# Altium PCB PCB.PcbDoc
Units mm, origin at the board's own origin, x right, y up, seen from the top; angles counter-clockwise.
Board outline 55 x 90 mm, 2 copper layers (Top Layer, Bottom Layer), stack 1.671 mm thick; 4 components, 9 nets, 48 pads, 2 vias.
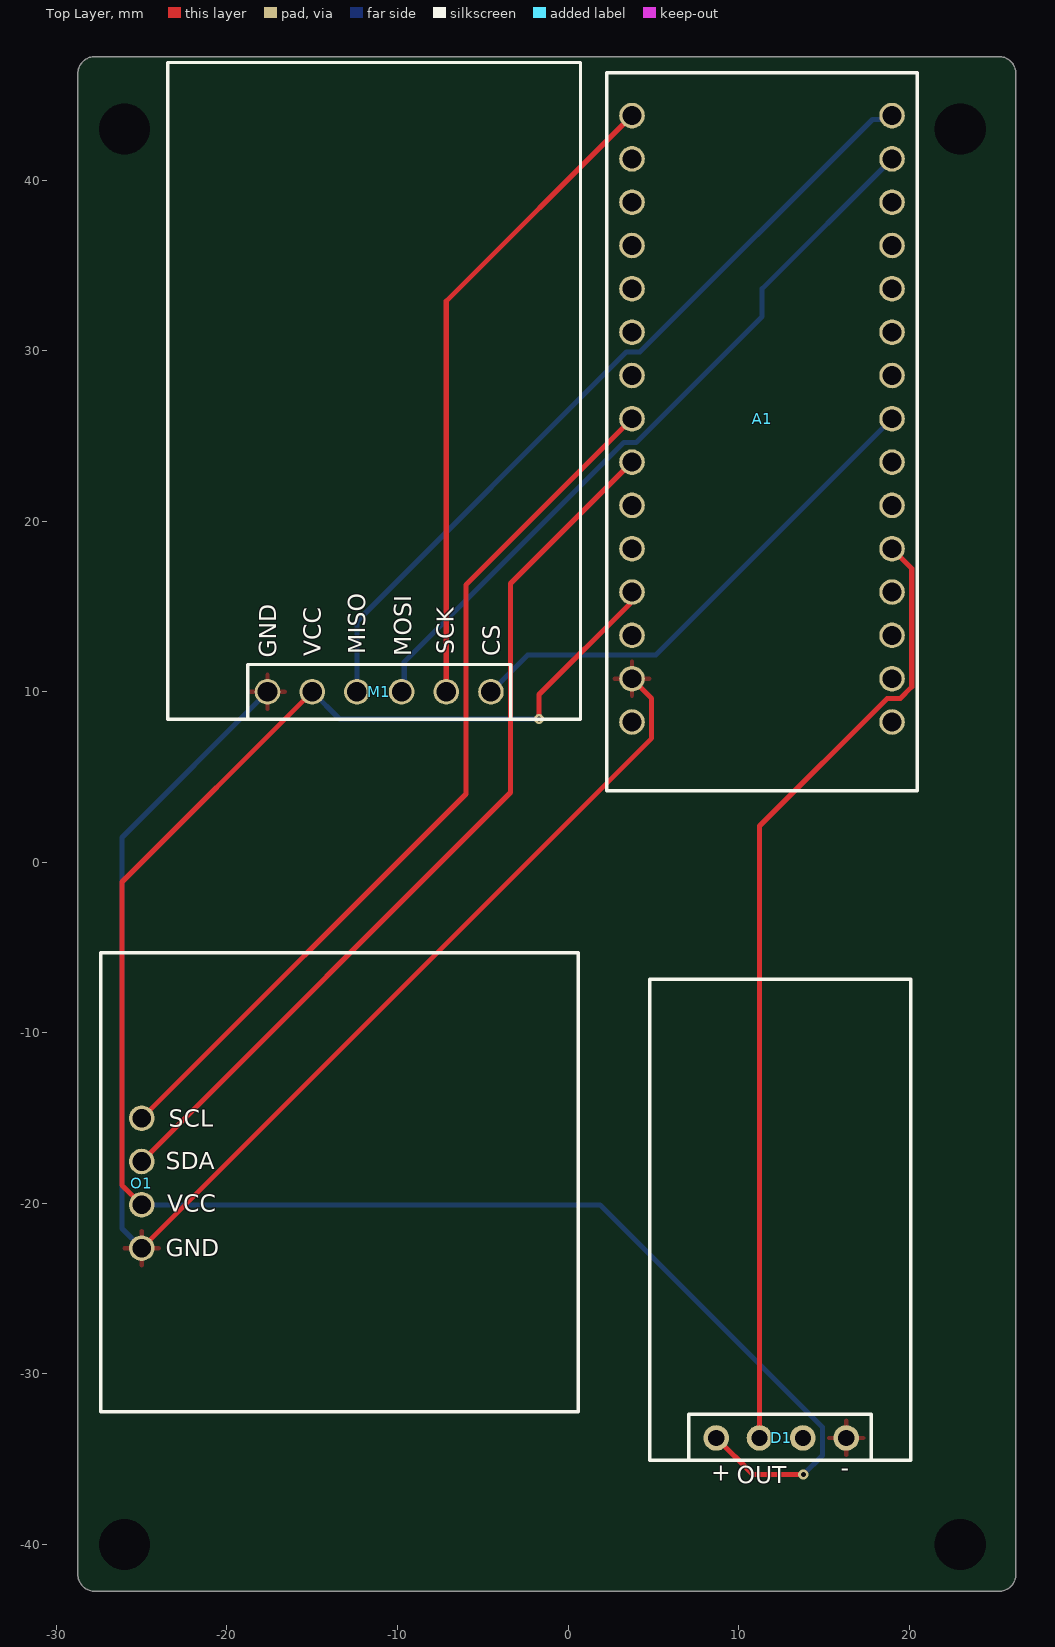
[diagram p0: Top Layer view]
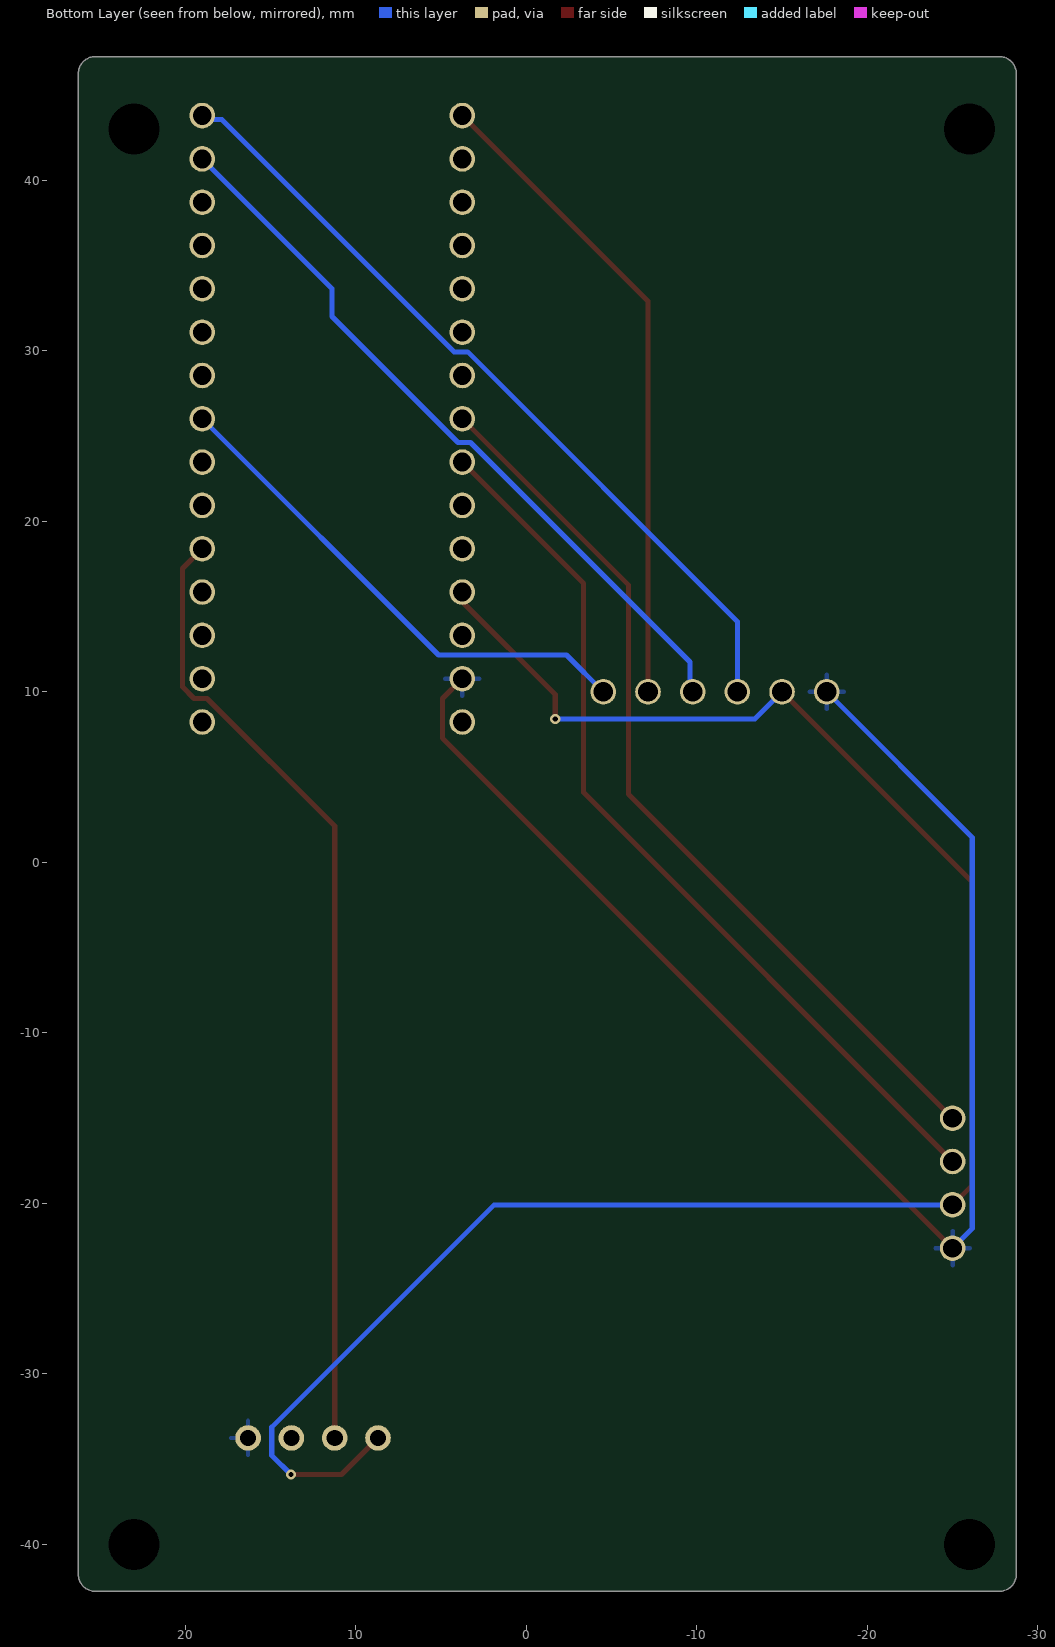
[diagram p1: Bottom Layer view, seen from below]
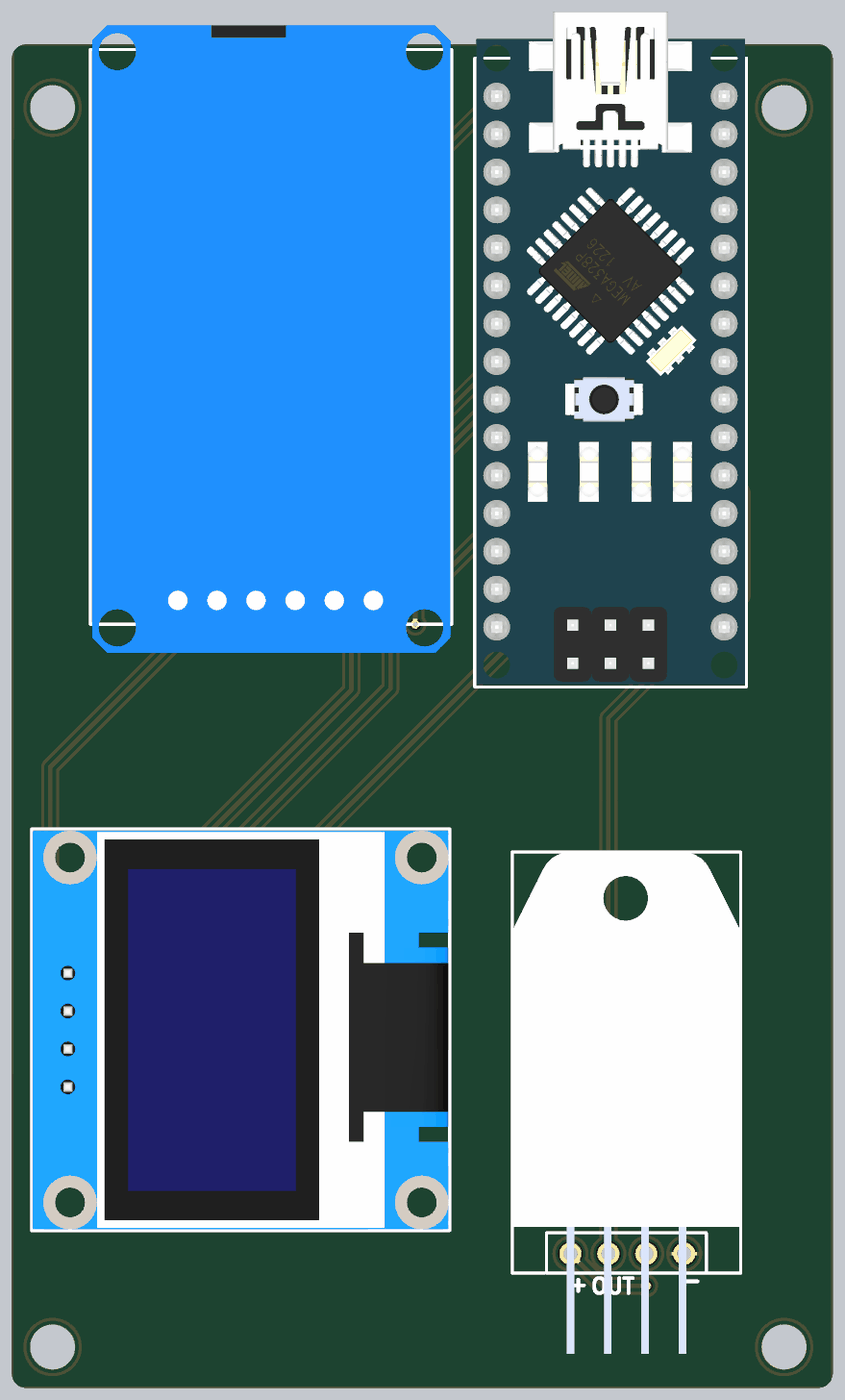
[diagram p2: 3D render of the assembled board from above, using the file's embedded part models]

## Layer stack, top to bottom
Top Solder: solder mask 0.0102, Solder Resist, Dk 3.5
Top Layer: signal copper 0.0356
Dielectric 1: dielectric 1.6, FR-4, Dk 4.8
Bottom Layer: signal copper 0.0356
Bottom Solder: solder mask 0.0102, Solder Resist, Dk 3.5

## Board outline
-28.737,-41.749 -28.737,46.251 cw(c-27.737,46.251) -27.737,47.251 25.263,47.251 cw(c25.263,46.251) 26.263,46.251 26.263,-41.749 cw(c25.263,-41.749) 25.263,-42.749 -27.737,-42.749 cw(c-27.737,-41.749)

## Design rules (kind name [scope] priority, off if disabled: settings)
Clearance [All] p1: gap=0.254 ignorepadtopadclearanceinfootprint=FALSE except(0: Arc-Hole Track-Hole SMDPad-Hole THPad-Hole Via-Hole Fill-Hole Poly-Hole Region-Hole Text-Hole)
HoleSize [All] p1: absolutevalues=TRUE maxlimit=3 minlimit=0 maxpercent=80.000 minpercent=20.000
HoleToHoleClearance [All] p1: gap=0.3 allowstackedmicrovias=TRUE
MinimumSolderMaskSliver [All] p1: minsoldermaskwidth=0.3
PolygonConnect [All] p1: connectstyle=Relief reliefconductorwidth=0.254 reliefentries=4 polygonreliefangle="90 Angle" airgapwidth=0.254
RoutingVias [All] p1: holewidth=0.3 width=0.6 viastyle="Through Hole" minholewidth=0.3 minwidth=0.6 maxholewidth=0.3 maxwidth=0.6
SilkToSilkClearance [All] p1: silktosilkclearance=0.1
SilkToSolderMaskClearance [IsPad] p1: minsilkscreentomaskgap=0.1 clearancetoexposedcopper=TRUE
SolderMaskExpansion [All] p1: expansion=0.102 istentingtop=FALSE
Width [All] p1: maxlimit=0.5 minlimit=0.1 preferedwidth=0.3
25 further rules are at their usual default settings.

## Components (designator, comment, footprint, x,y, rotation, side; value= is the part's Value field where it differs from the comment)
A1 "Arduino Nano" "ARDUINO NANO" 11.375,26.01 r0 top
D1 "DHT 22" "DHT 22" 12.5,-33.75 r0 top
M1 "Micro SD Card Adapter" "SD CARD MODULE" -11.07,10 r0 top
O1 "OLED DISPLAY" "OLED DISPLAY" -25,-18.81 r90 top

## Footprints (in the part's own frame and the unit in brackets; to place one, negate y for a bottom-side part, rotate by r counter-clockwise, add the part's x,y. Pads: shape width x height; smd on the part's side, far side on the other; paste and mask are expansions set on the pad)
"ARDUINO NANO" [mm]
  round 1.5 hole 1.1: 1(-7.625,17.78) 2(-7.625,15.24) 3(-7.625,12.7) 4(-7.625,10.16) 5(-7.625,7.62) 6(-7.625,5.08) 7(-7.625,2.54) 8(-7.625,0) 9(-7.625,-2.54) 10(-7.625,-5.08) 11(-7.625,-7.62) 12(-7.625,-10.16) 13(-7.625,-12.7) 14(-7.625,-15.24) 15(-7.625,-17.78) 16(7.625,-17.78) 17(7.625,-15.24) 18(7.625,-12.7) 19(7.625,-10.16) 20(7.625,-7.62) 21(7.625,-5.08) 22(7.625,-2.54) 23(7.625,0) 24(7.625,2.54) 25(7.625,5.08) 26(7.625,7.62) 27(7.625,10.16) 28(7.625,12.7) 29(7.625,15.24) 30(7.625,17.78)
  silkscreen extent -9.1,-21.8 9.1,20.3, body extent -9,-21.62 8.99,23.38, height 12.61
"DHT 22" [mm]
  round 1.5 hole 0.95: 1(-3.81,0) 2(-1.27,0) 3(1.27,0) 4(3.81,0)
  silkscreen extent -7.71,-1.3 7.59,26.9, body extent -7.61,-6.7 7.49,26.9, height 8.02
"OLED DISPLAY" [mm]
  round 1.5 hole 1.1: 1(-3.81,0) 2(-1.27,0) 3(1.27,0) 4(3.81,0)
  silkscreen extent -13.4,-25.6 13.5,2.4, body extent -13.31,-25.53 13.39,2.33, height 5.02
"SD CARD MODULE" [mm]
  round 1.5 hole 1.15: 1(6.55,0) 2(3.93,0) 3(1.31,0) 4(-1.31,0) 5(-3.93,0) 6(-6.55,0)
  silkscreen extent -12.4,-1.6 11.8,36.9, body extent -12.28,-8.4 11.72,38.5, height 4.71

## Part data
A1: library part A000005, "ARDUINO - A000005 - Development Board, Arduino Nano, ATmega328 MCU, 14 3.3V I/O, 6 PWM Outputs, USB Mini B", Manufacturer=Arduino, Operating Supply Voltage=20V, Package Quantity=1, Supplier Part Number 1=1050-1001-ND, Category="Embedded Processors and Controllers", ComponentLink1Description=https://datasheet.ciiva.com/2398/arduinonanomanual23-2398236.pdf?src-supplier=Digi-Key, ComponentLink1URL=https://datasheet.ciiva.com/2398/arduinonanomanual23-2398236.pdf?src-supplier=Digi-Key, ComponentLink2Description=https://datasheet.ciiva.com/19455/2121148-19455443.pdf?src-supplier=Jameco, ComponentLink2URL=https://datasheet.ciiva.com/19455/2121148-19455443.pdf?src-supplier=Jameco, ComponentLink3Description=https://datasheet.ciiva.com/1336/1682238-1336473.pdf?src-supplier=Element14, ComponentLink3URL=https://datasheet.ciiva.com/1336/1682238-1336473.pdf?src-supplier=Element14, ComponentLink4Description=https://datasheet.ciiva.com/1414/810078-1414124.pdf?src-supplier=Newark, ComponentLink4URL=https://datasheet.ciiva.com/1414/810078-1414124.pdf?src-supplier=Newark, ComponentLink5Description=https://datasheet.ciiva.com/4926/arduino-arduinoboardnano-188748-4926316.pdf?src-supplier=Mouser, ComponentLink5URL=https://datasheet.ciiva.com/4926/arduino-arduinoboardnano-188748-4926316.pdf?src-supplier=Mouser, ComponentLink6Description=https://datasheet.ciiva.com/20168/73-4448-20168542.pdf?src-supplier=Rapid+Electronics, ComponentLink6URL=https://datasheet.ciiva.com/20168/73-4448-20168542.pdf?src-supplier=Rapid+Electronics, Core Architecture=AVR, Data Bus Width=8b, Evaluation Kit=Yes, Height=0.25inch, Interface=I2C,SPI,USB, Length=7inch, Manufacturer Part Number=A000005, Number of Bits=8, Packaging=Bulk, Pricing 1="1=22.00000, 10=20.90000, 100=19.80010, 500=18.70012 (USD)", REACH SVHC="No SVHC", RoHS=Yes, Stock 1=9527, Supplier 1=Digi-Key, Weight=0.02lb, Width=5inch
D1: library part SEN-10167, "Sensor Humid/temp 5V Dtl 2% Mod", Manufacturer=SparkFun, Supplier Part Number 1=474-SEN-10167, Category=Sensors, ComponentLink1Description=http://cdn.sparkfun.com/datasheets/Sensors/Weather/RHT03.pdf?src-supplier=Digi-Key, ComponentLink1URL=http://cdn.sparkfun.com/datasheets/Sensors/Weather/RHT03.pdf?src-supplier=Digi-Key, Manufacturer Part Number=SEN-10167, Pricing 1="1=9.95000, 10=9.95000, 50=9.95000, 100=9.95000, 1000=9.95000, 10000=9.95000 (USD)", RoHS=No, Stock 1=34, Supplier 1=Mouser
O1: library part SSD1306, "SSD1306 Oled Display 128x64"

## Free pads (board coordinates)
  round 1.524 hole 3: 100(-26,-40) 100(-26,43) 100(23,-40) 100(23,43)

## Via types
v1: diameter 0.6, hole 0.3, Top Layer to Bottom Layer, 2 vias

## Nets (pads, with @x,y where several pads share a name; then routed paths per layer and width w, separated by ;. In a path a pad name is that pad's centre, name@x,y a point inside that pad or via, vN(x,y) a via of type N, cw(c..) or ccw(c..) an arc to the next point about the centre after c; other vN are vias at no path point)
A4: A1.8 O1.4 | length 52.9
  Top Layer w0.3: O1.4 -5.986,4.014 -5.986,16.274 A1.8
A5: A1.9 O1.3 | length 52.9
  Top Layer w0.3: O1.3 -3.366,4.094 -3.366,16.354 A1.9
D13: A1.1 M1.2 | length 38.3
  Top Layer w0.3: M1.2 -7.14,32.9 A1.1
GND: A1.14 D1.4 M1.6 O1.1 | length 82.9
  Top Layer w0.3: O1.1 4.904,7.284 4.904,9.616 A1.14
  Bottom Layer w0.3: O1.1 -26.154,-21.466 -26.154,1.466 M1.6
MISO: A1.30 M1.4 | length 47.8
  Bottom Layer w0.3: M1.4 -12.38,14.12 3.436,29.936 4.228,29.936 17.852,43.56 18.77,43.56 A1.30
MOSI: A1.29 M1.3 | length 43.6
  Bottom Layer w0.3: M1.3 -9.6,10.16 -9.6,11.752 3.272,24.624 3.996,24.624 11.383,32.011 11.383,33.633 A1.29
NetA1_20: A1.20 D1.2 | length 56.8
  Top Layer w0.3: D1.2 11.23,2.13 18.716,9.616 19.478,9.616 20.154,10.292 20.154,17.236 A1.20
NetA1_23: A1.23 M1.1 | length 30.2
  Bottom Layer w0.3: M1.1 -2.364,12.156 5.146,12.156 A1.23
VCC: A1.12 D1.1 M1.5 O1.2 | length 112.8
  Top Layer w0.3: O1.2 -26.154,-18.926 -26.154,-1.154 M1.5 ; v1(-1.7,8.4) -1.7,9.836 A1.12@3.735,15.271 ; D1.1 10.84,-35.9 v1(13.8,-35.9)
  Bottom Layer w0.3: O1.2 1.88,-20.08 14.924,-33.124 14.924,-34.776 v1(13.8,-35.9) ; M1.5 -13.4,8.4 v1(-1.7,8.4)
pads on no net: A1.2 A1.3 A1.4 A1.5 A1.6 A1.7 A1.10 A1.11 A1.13 A1.15 A1.16 A1.17 A1.18 A1.19 A1.21 A1.22 A1.24 A1.25 A1.26 A1.27 A1.28 D1.3

## Polygon pours and split planes (outlines as drawn)
GND on Top Layer "NONET_L-01_P-001" (none, pour order 0): -28.703,47.251 26.263,47.251 26.263,-42.749 -28.75,-42.749
GND on Bottom Layer "NONET_L-01_P-001" (none, pour order 1): -28.7,47.3 26.3,47.3 26.3,-42.8 -28.75,-42.8

## Silkscreen, mask and mechanical layers (free items; w line width, h text height)
Top Overlay:
  text "MISO" at -11.9,12.2 h1 r90
  text "SCK" at -6.7,12.2 h1 r90
  text "VCC" at -14.5,12.1 h1 r90
  text "MOSI" at -9.2,12.1 h1 r90
  text "CS" at -4,12.1 h1 r90
  text "GND" at -17.1,12 h1 r90
  text "SCL" at -23.4,-15.5 h1
  text "SDA" at -23.6,-18 h1
  text "VCC" at -23.5,-20.5 h1
  text "GND" at -23.6,-23.1 h1
  text "-" at 16,-36 h1
  text "+" at 8.4,-36.267 h1
  text "OUT" at 9.9,-36.4 h1
Board Outline:
  circle w0.006: c-1.237,2.251 r0.003
  lines w0.013: -28.737,-41.749 ccw(c-27.737,-41.749) -27.737,-42.749 25.263,-42.749 ccw(c25.263,-41.749) 26.263,-41.749 26.263,46.251 ccw(c25.263,46.251) 25.263,47.251 -27.737,47.251 ccw(c-27.737,46.251) -28.737,46.251 -28.737,-41.749